# Allegro board Coral-Dev-Board-Mini-layout-Allegro.brd (continued)
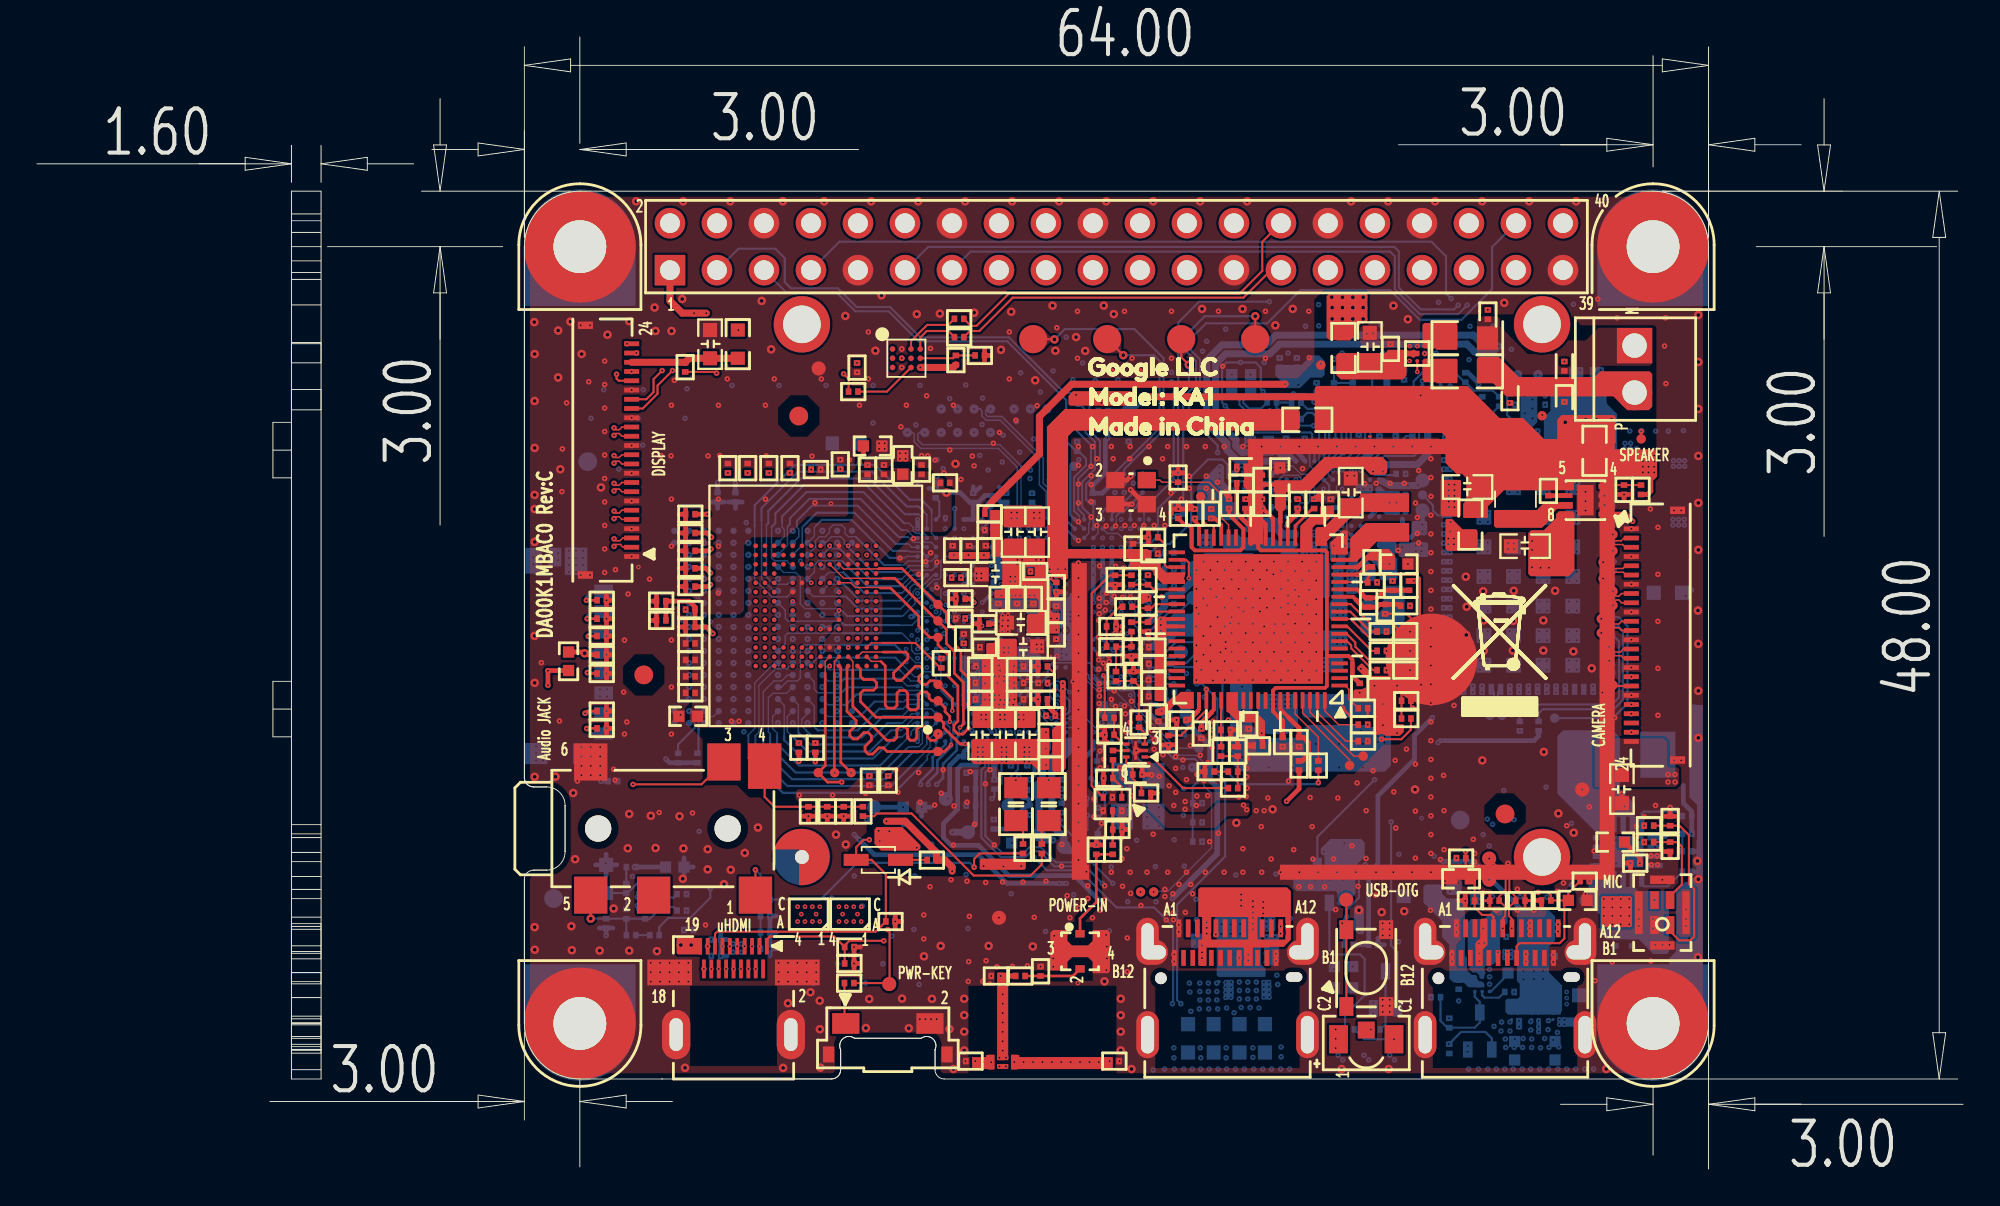
[diagram p0: board, top side]
## Routing (per net, layer and track width the routed paths; a pad name or vN(x,y) marks a point on that pad's centre or on a via; arc(x,y) is an arc through that point) (continued)
v6(46.07,34.67) v6(46.15,36.77) v6(46.28,41.6) v6(46.2,18.18) v6(46.74,33.78) v6(46.86,23.67) v6(47.09,43.1) v6(47.32,24.4) v6(47.37,19.35) v6(47.93,33.78) v6(48.29,44.37) v6(48.36,34.62) v6(48.51,36.8) v6(49.16,27.19) v6(50.22,21.43) v6(50.22,20.54) v6(50.35,37.56) v6(51.08,43.07) v6(51.51,36.25) v6(52.28,36.25) v6(53.02,36.25) v6(53.27,34.38) v6(53.27,33.87) v6(53.77,36.25) v6(53.77,34.38) v6(54.28,34.38) v6(54.28,33.87) v6(54.79,34.38) v6(55.65,37.28) v6(55.7,40.38) v6(56.1,35.2) v6(57.53,22.35) v6(57.63,21.41) v6(57.97,24.98) v6(58.09,34.64) v6(58.6,24.98) v6(58.62,20.64) v6(59.41,21.74) v6(60.42,38.88) v6(60.47,36.47) v6(60.45,35.58) v6(60.94,5.4) v6(61.44,6.55) v6(61.44,6.01) v6(61.47,5.4) v6(61.98,5.4) v6(62.07,35.38) v6(62.43,5.4) v6(62.56,40.69) v6(62.87,6.55) v6(62.89,6.01) v6(62.89,5.4) v6(63.24,34.51) v6(63.24,32.79) v6(63.2,31.85) v6(63.35,5.4) v6(63.42,40.69) v6(63.47,37.16) v6(63.45,25.29) v6(63.45,24.84) v6(63.45,24.4) v6(63.83,5.4) v6(64.26,6.55) v6(64.26,6.01) v6(64.31,34.54) v6(64.38,27.96) v6(64.29,5.4) v6(64.41,39.16) v6(64.54,29.92) v6(64.77,5.4) v6(64.79,26.33) v6(65.02,24.13) v6(65.08,19.5) v6(65.25,5.4) v6(65.58,36.01) v6(65.55,34.46) v6(65.58,27.43) v6(65.55,24.13) v6(65.68,26.11) v6(65.79,20.03) v6(65.71,6.55) v6(65.71,6.04) v6(65.76,5.4) v6(66.06,40.2) v6(66.12,14.64) v6(66.26,28.09) v6(66.24,5.4) v6(66.37,25.95) v6(66.65,24.13) v6(66.73,5.4) v6(66.85,17.7) v6(67.18,37.36) v6(67.13,35.3) v6(67.15,25.95) v6(67.26,24.13) v6(67.24,6.6) v6(67.24,6.06) v6(67.21,5.4) v6(67.46,33.4) v6(67.43,31.24) v6(67.41,29.18) v6(67.62,18.21) v6(67.69,5.4) v6(67.84,24.1) v6(68.19,40.33) v6(68.35,24.38) v6(68.42,25.9) v6(68.53,25.34) v6(68.53,24.81) v6(68.93,25.93) v6(69.01,36.88) v6(69.08,15.64) v6(69.38,32.36) v6(69.38,32.06) v6(69.38,31.65) v6(69.38,31.35) v6(69.38,31.04) v6(69.57,35.4) v6(69.68,31.65) v6(69.68,31.35) v6(69.68,31.04) v6(69.85,15.64) v6(69.92,36.67) v6(70.18,16.05) v6(70.23,15.64) v6(70.31,6.15) v6(70.4,27.83) v6(70.4,27.12) v6(70.4,26.26) v6(70.44,18) v6(70.57,5.9) v6(70.93,32.29) v6(70.93,31.98) v6(70.93,31.68) v6(71.23,32.29) v6(71.23,31.98) v6(71.23,31.68) v6(71.32,23.74) v6(71.71,6.15) v6(71.97,5.9) v6(72.22,9) v6(72.22,8.69) v6(72.22,8.39) v6(73.11,6.15) v6(73.36,5.9) v6(76.83,9.09) v6(77.31,6.65) v6(77.31,6.35) v6(77.37,5.4) v6(77.9,5.4) v6(78.18,39.39) v6(78.41,5.4) v6(78.5,10.79) v6(78.5,10.39) v6(78.5,9.99) v6(78.87,5.4) v6(79.35,11.76) v6(79.35,11.45) v6(79.33,5.4) v6(79.4,12.55) v6(79.65,11.76) v6(79.65,11.45) v6(79.78,5.4) v6(80.11,39.33) v6(80.27,5.4) v6(80.72,5.4) v6(81.21,5.4) v6(81.69,5.4) v6(82.2,5.4) v6(82.68,5.4) v6(83.16,5.4) v6(83.64,5.4) v6(84.13,5.4) v7(29.67,35.35) v7(29.69,39.54) v7(29.77,38.35) v7(29.72,36.82) v7(29.94,40.58) v7(30.2,29.86) v7(30.23,28.29) v7(30.63,42.13) v7(30.68,33.78) v7(30.74,32.18) v7(31.17,40.02) v7(31.17,26.74) v7(31.44,37.84) v7(31.52,31.13) v7(31.65,34.59) v7(31.65,29.89) v7(32.08,41.62) v7(32.18,15.82) v7(32.26,25.62) v7(32.48,40.58) v7(32.45,14.71) v7(32.44,14.24) v7(32.77,42.13) v7(32.87,29.92) v7(32.84,26.87) v7(32.92,31.69) v7(33.07,39.85) v7(33.2,37.69) v7(33.43,24.48) v7(33.53,25.8) v7(34.44,24.63) v7(34.55,34.77) v7(34.55,33.24) v7(34.55,31.72) v7(34.55,29.81) v7(34.55,27.6) v7(34.55,25.65) v7(34.58,14.41) v7(34.7,23.64) v7(35.02,40.58) v7(35.13,42.18) v7(35.13,37.1) v7(35.56,35.71) v7(35.79,41.6) v7(35.84,23.67) v7(36.53,38.48) v7(36.67,13.42) v7(37.29,35.73) v7(37.56,42.36) v7(37.52,40.02) v7(38.51,38.5) v7(38.5,11.93) v7(38.93,11.48) v7(39.14,35.73) v7(39.68,37.1) v7(39.7,39.31) v7(40.04,13.42) v7(40.1,42.36) v7(40.36,38.48) v7(40.67,35.71) v7(41.02,26.05) v7(41.12,41.6) v7(41.53,37.1) v7(42.34,35.76) v7(42.64,42.36) v7(42.62,37.99) v7(42.72,38.83) v7(42.85,30.81) v7(42.88,27.76) v7(43.11,23.67) v7(43.13,13.38) v7(43.38,24.43) v7(43.69,37.08) v7(43.94,35.15) v7(43.92,27.96) v7(44.38,23.67) v7(44.45,24.43) v7(44.83,37.92) v7(45.18,42.36) v7(45.18,40.33) v7(45.39,35.86) v7(45.57,38.83) v7(45.65,33.78) v7(45.65,13.87) v7(45.87,24.4) v7(45.82,23.67) v7(46.28,41.6) v7(46.44,15.51) v7(46.74,33.78) v7(46.86,23.67) v7(46.97,38.01) v7(47.32,24.4) v7(47.72,42.36) v7(47.93,33.78) v7(47.9,16.99) v7(48.29,44.37) v7(48.64,37.43) v7(49.16,27.19) v7(50.19,42.39) v7(50.22,21.43) v7(50.22,20.54) v7(50.35,37.56) v7(53.16,43.05) v7(54.22,42.01) v7(57.53,22.35) v7(57.63,21.41) v7(58.42,42.67) v7(58.62,20.64) v7(59.41,21.74) v7(59.69,42.67) v7(60.94,5.4) v7(61.44,6.55) v7(61.44,6.01) v7(61.47,5.4) v7(61.98,5.4) v7(62.43,5.4) v7(62.51,42.87) v7(62.51,42.49) v7(62.56,40.69) v7(62.66,13.48) v7(62.87,6.55) v7(62.89,6.01) v7(62.89,5.4) v7(63.22,44.75) v7(63.35,5.4) v7(63.42,40.69) v7(63.83,5.4) v7(64.24,45.41) v7(64.26,6.55) v7(64.26,6.01) v7(64.29,5.4) v7(64.77,5.4) v7(65.08,19.5) v7(65.25,5.4) v7(65.79,20.03) v7(65.71,6.55) v7(65.71,6.04) v7(65.76,5.4) v7(66.12,14.64) v7(66.24,5.4) v7(66.73,5.4) v7(66.85,17.7) v7(67.01,10.48) v7(67.05,9.98) v7(67.24,6.6) v7(67.24,6.06) v7(67.21,5.4) v7(67.62,18.21) v7(67.74,13.56) v7(67.69,5.4) v7(68.12,15.72) v7(68.19,40.33) v7(69.08,15.64) v7(69.26,46.73) v7(69.27,45.59) v7(69.38,32.36) v7(69.38,32.06) v7(69.38,31.65) v7(69.38,31.35) v7(69.38,31.04) v7(69.46,15.64) v7(69.68,31.65) v7(69.68,31.35) v7(69.68,31.04) v7(69.85,15.64) v7(70.18,16.05) v7(70.23,15.64) v7(70.31,6.15) v7(70.44,18) v7(70.57,5.9) v7(70.61,15.64) v7(70.93,32.29) v7(70.93,31.98) v7(70.93,31.68) v7(71.23,32.29) v7(71.23,31.98) v7(71.23,31.68) v7(71.71,6.15) v7(71.97,5.9) v7(72.22,9) v7(72.22,8.69) v7(72.22,8.39) v7(73.11,6.15) v7(73.36,5.9) v7(75.06,19.3) v7(75.31,18.66) v7(75.74,46.86) v7(75.85,17.44) v7(75.97,18.31) v7(76.35,20.95) v7(76.48,26.44) v7(76.63,24.25) v7(76.83,9.09) v7(77.27,24.28) v7(77.31,6.65) v7(77.31,6.35) v7(77.37,5.4) v7(77.62,22.42) v7(77.88,19.17) v7(77.98,24.58) v7(77.9,5.4) v7(78.18,39.39) v7(78.41,24) v7(78.41,22.63) v7(78.41,21.13) v7(78.41,5.4) v7(78.5,10.79) v7(78.5,10.39) v7(78.5,9.99) v7(78.68,45.56) v7(78.66,14.73) v7(78.87,5.4) v7(79.28,24.02) v7(79.28,22.65) v7(79.28,21.1) v7(79.35,11.76) v7(79.35,11.45) v7(79.33,5.4) v7(79.4,12.55) v7(79.65,11.76) v7(79.65,11.45) v7(79.71,24.56) v7(79.78,5.4) v7(80.11,39.33) v7(80.16,14.73) v7(80.27,5.4) v7(80.72,5.4) v7(81.21,5.4) v7(81.61,14.7) v7(81.69,5.4) v7(82.2,5.4) v7(82.68,5.4) v7(82.93,18.69) v7(82.93,15.36) v7(83.03,46.76) v7(83.16,5.4) v7(83.64,5.4) v7(84.13,5.4) v8(29.67,35.35) v8(29.69,39.54) v8(29.77,38.35) v8(29.72,36.82) v8(29.94,40.58) v8(30.2,29.86) v8(30.23,28.29) v8(30.63,42.13) v8(30.68,33.78) v8(30.74,32.18) v8(31.17,40.02) v8(31.17,26.74) v8(31.44,37.84) v8(31.52,31.13) v8(31.65,34.59) v8(31.65,29.89) v8(32.08,41.62) v8(32.18,15.82) v8(32.26,25.62) v8(32.48,40.58) v8(32.45,14.71) v8(32.44,14.24) v8(32.77,42.13) v8(32.87,29.92) v8(32.84,26.87) v8(32.92,31.69) v8(33.07,39.85) v8(33.2,37.69) v8(33.43,24.48) v8(33.53,25.8) v8(34.44,24.63) v8(34.55,34.77) v8(34.55,33.24) v8(34.55,31.72) v8(34.55,29.81) v8(34.55,27.6) v8(34.55,25.65) v8(34.58,14.41) v8(34.7,23.64) v8(34.9,39.06) v8(35.02,40.58) v8(35.13,42.18) v8(35.13,37.1) v8(35.56,35.71) v8(35.79,41.6) v8(35.84,23.67) v8(36.53,38.48) v8(37.29,35.73) v8(37.56,42.36) v8(37.52,40.02) v8(38.51,38.5) v8(39.14,35.73) v8(39.68,37.1) v8(39.7,39.31) v8(40.1,42.36) v8(40.36,38.48) v8(40.67,35.71) v8(41.02,26.05) v8(41.12,41.6) v8(41.53,37.1) v8(42.34,35.76) v8(42.64,42.36) v8(42.62,37.99) v8(42.72,38.83) v8(42.85,30.81) v8(42.88,27.76) v8(43.11,23.67) v8(43.38,24.43) v8(43.69,37.08) v8(43.94,35.15) v8(43.92,27.96) v8(44.38,23.67) v8(44.45,24.43) v8(44.83,37.92) v8(45.18,42.36) v8(45.18,40.33) v8(45.39,35.86) v8(45.57,38.83) v8(45.65,33.78) v8(45.87,24.4) v8(45.82,23.67) v8(46.28,41.6) v8(46.74,33.78) v8(46.86,23.67) v8(46.97,38.01) v8(47.32,24.4) v8(47.59,37.14) v8(47.72,42.36) v8(47.93,33.78) v8(48.29,44.37) v8(48.64,37.43) v8(49.16,27.19) v8(50.19,42.39) v8(50.22,21.43) v8(50.22,20.54) v8(50.35,37.56) v8(53.16,43.05) v8(54.22,42.01) v8(57.53,22.35) v8(57.63,21.41) v8(58.42,42.67) v8(58.62,20.64) v8(59.41,21.74) v8(59.69,42.67) v8(60.47,26.39) v8(60.94,5.4) v8(61.44,6.55) v8(61.44,6.01) v8(61.47,5.4) v8(61.98,5.4) v8(62.43,5.4) v8(62.51,42.87) v8(62.51,42.49) v8(62.58,12.06) v8(62.66,13.48) v8(62.61,12.54) v8(62.87,6.55) v8(62.89,6.01) v8(62.89,5.4) v8(63.1,18.21) v8(63.22,44.75) v8(63.3,13.48) v8(63.35,5.4) v8(63.83,5.4) v8(63.93,19.07) v8(64.24,45.41) v8(64.26,6.55) v8(64.26,6.01) v8(64.29,5.4) v8(64.54,17.83) v8(64.77,5.4) v8(65.08,19.5) v8(65.25,5.4) v8(65.32,20.39) v8(65.79,20.03) v8(65.71,6.55) v8(65.71,6.04) v8(65.76,5.4) v8(66.12,14.64) v8(66.24,5.4) v8(66.54,17.83) v8(66.72,38.86) v8(66.73,5.4) v8(66.87,21.03) v8(66.85,17.7) v8(67.01,10.48) v8(67.05,9.98) v8(67.24,6.6) v8(67.24,6.06) v8(67.21,5.4) v8(67.62,18.21) v8(67.76,19.48) v8(67.74,13.56) v8(67.69,5.4) v8(67.89,39.06) v8(68.12,15.72) v8(68.42,21.03) v8(68.98,40.76) v8(69.08,15.64) v8(69.26,46.73) v8(69.27,45.59) v8(69.21,18.56) v8(69.38,32.36) v8(69.38,32.06) v8(69.38,31.65) v8(69.38,31.35) v8(69.38,31.04) v8(69.46,38.93) v8(69.46,15.64) v8(69.68,32.36) v8(69.68,32.06) v8(69.68,31.65) v8(69.68,31.35) v8(69.68,31.04) v8(69.85,15.64) v8(69.9,39.92) v8(70,22.35) v8(70.18,16.05) v8(70.23,15.64) v8(70.31,6.15) v8(70.44,18) v8(70.58,19.55) v8(70.57,5.9) v8(70.61,15.64) v8(70.93,32.29) v8(70.93,31.98) v8(70.93,31.68) v8(70.94,23.29) v8(70.96,18.49) v8(71.04,33.27) v8(71.04,32.96) v8(71.11,10.94) v8(71.11,9.8) v8(71.23,32.29) v8(71.23,31.98) v8(71.23,31.68) v8(71.47,12.87) v8(71.75,19.86) v8(71.75,18.56) v8(71.71,6.15) v8(71.97,5.9) v8(72.22,9) v8(72.22,8.69) v8(72.22,8.39) v8(72.31,22.35) v8(72.72,18.46) v8(72.72,15.77) v8(72.69,12.85) v8(72.89,25.93) v8(73.11,6.15) v8(73.36,5.9) v8(73.58,20.77) v8(73.68,23.29) v8(73.91,16) v8(74.09,27.05) v8(74.22,18.38) v8(74.75,24.73) v8(74.85,27.35) v8(74.85,26.23) v8(74.88,16.15) v8(74.9,22.55) v8(75.06,19.3) v8(75.23,19.73) v8(75.31,18.66) v8(75.74,46.86) v8(75.8,22.37) v8(75.81,21.76) v8(75.81,18.69) v8(75.85,17.44) v8(75.97,18.31) v8(76.27,16.2) v8(76.35,20.95) v8(76.48,26.44) v8(76.63,24.25) v8(76.79,18.31) v8(76.83,9.09) v8(76.96,20.75) v8(76.91,19.43) v8(77.27,24.28) v8(77.34,15.9) v8(77.31,6.65) v8(77.31,6.35) v8(77.37,5.4) v8(77.62,22.42) v8(77.62,20.75) v8(77.88,19.17) v8(77.98,24.58) v8(77.9,5.4) v8(78.18,39.39) v8(78.41,24) v8(78.41,22.63) v8(78.41,21.13) v8(78.48,17.47) v8(78.41,5.4) v8(78.5,10.79) v8(78.5,10.39) v8(78.5,9.99) v8(78.68,45.56) v8(78.66,14.73) v8(78.87,5.4) v8(79.28,24.02) v8(79.28,22.65) v8(79.28,21.1) v8(79.37,19.68) v8(79.35,11.76) v8(79.35,11.45) v8(79.33,5.4) v8(79.4,12.55) v8(79.65,11.76) v8(79.65,11.45) v8(79.71,24.56) v8(79.78,5.4) v8(79.83,18.89) v8(80.11,39.33) v8(80.16,20.98) v8(80.16,14.73) v8(80.27,5.4) v8(80.72,5.4) v8(81.07,21.18) v8(81.21,5.4) v8(81.56,20.65) v8(81.61,14.7) v8(81.69,5.4) v8(82.2,5.4) v8(82.29,23.29) v8(82.57,22.73) v8(82.68,5.4) v8(82.93,18.69) v8(82.93,15.36) v8(83.03,46.76) v8(83.16,5.4) v8(83.64,5.4) v8(84.13,5.4) v8(84.45,23.26) v8(84.83,23.95) v8(86.08,39.9) v8(86.74,39.9) v8(87.48,39.9) v8(88.17,39.9) v8(88.98,39.92) v9(26.82,33.07) v9(26.82,32.68) v9(26.97,22.86) v9(26.97,22.47) v9(26.97,22.09) v9(27.12,33.07) v9(27.12,32.68) v9(27.35,22.86) v9(27.35,22.47) v9(27.35,22.09) v9(27.78,33.29) v9(27.78,32.91) v9(28.16,33.29) v9(28.16,32.91) v9(28.75,33.42) v9(28.75,33.04) v9(28.75,32.66) v9(28.75,32.28) v9(29.13,33.42) v9(29.13,33.04) v9(29.13,32.66) v9(29.13,32.28) v9(29.18,22.86) v9(29.18,22.47) v9(29.18,22.09) v9(29.51,33.42) v9(29.51,33.04) v9(29.51,32.66) v9(29.51,32.28) v9(29.56,22.86) v9(29.56,22.47) v9(29.56,22.09) v9(29.94,40.58) v9(29.94,22.86) v9(29.94,22.47) v9(29.94,22.09) v9(30.43,25.93) v9(30.43,25.55) v9(30.63,42.13) v9(30.74,16.53) v9(30.81,25.93) v9(30.81,25.55) v9(31.44,37.84) v9(32.18,15.82) v9(32.48,40.58) v9(32.45,14.71) v9(32.44,14.24) v9(32.77,42.13) v9(32.74,39.14) v9(34.97,12.92) v9(35.02,40.58) v9(35.13,42.18) v9(35.78,18.25) v9(36.04,28.01) v9(36.73,21.97) v9(37.56,42.36) v9(37.77,21.97) v9(38.44,33.86) v9(38.44,28.01) v9(40.1,42.36) v9(41.96,10.03) v9(42.64,42.36) v9(42.95,14.65) v9(43.28,11.09) v9(44.17,15.84) v9(44.6,14.22) v9(44.78,10.05) v9(44.83,18.89) v9(45.18,42.36) v9(45.18,40.33) v9(45.54,17.6) v9(45.72,11.09) v9(46.2,12.59) v9(46.83,18.64) v9(47.44,15.84) v9(47.39,12.95) v9(47.49,40.23) v9(47.59,37.14) v9(47.67,9.98) v9(47.72,42.36) v9(48.29,44.37) v9(48.36,17.57) v9(48.64,37.43) v9(49.32,41.65) v9(49.32,40.25) v9(50.09,32.12) v9(50.09,31.62) v9(50.09,31.12) v9(50.19,42.39) v9(50.22,21.43) v9(50.22,20.54) v9(50.21,15.92) v9(50.31,13) v9(50.6,22.32) v9(50.95,38.58) v9(51.08,40.25) v9(51.1,41.68) v9(51.41,37.79) v9(52.17,38.22) v9(52.22,39.67) v9(52.6,37.21) v9(52.68,17.63) v9(52.65,14.88) v9(52.93,40.41) v9(53.16,43.05) v9(53.11,38.76) v9(53.52,20.49) v9(53.67,37.33) v9(53.65,19.15) v9(53.69,37.79) v9(53.77,36.54) v9(53.87,39.47) v9(54.22,42.01) v9(54.5,12.85) v9(54.71,38.27) v9(54.71,37.26) v9(54.91,43.15) v9(55.06,36.6) v9(55.06,35.66) v9(55.37,21.81) v9(55.37,20.54) v9(55.62,44.98) v9(55.98,42.67) v9(56.03,14.83) v9(56.21,40.66) v9(56.51,43.58) v9(57.2,42.64) v9(57.28,21.55) v9(57.96,12.87) v9(58.06,16.33) v9(58.3,21.73) v9(58.3,21.22) v9(58.3,20.72) v9(58.3,19.55) v9(58.3,19.04) v9(58.3,18.53) v9(58.42,42.67) v9(58.93,21.73) v9(58.93,21.22) v9(58.93,20.72) v9(58.93,19.55) v9(58.93,19.04) v9(58.93,18.53) v9(58.95,14.45) v9(59.43,17.78) v9(59.59,25.12) v9(59.69,42.67) v9(59.76,37.07) v9(60,19.55) v9(60,19.04) v9(60,18.53) v9(60.32,5.35) v9(60.45,16.35) v9(60.47,14.45) v9(60.63,19.55) v9(60.63,19.04) v9(60.63,18.53) v9(60.94,5.4) v9(61.11,26.68) v9(61.32,43.07) v9(61.32,42.56) v9(61.45,33.31) v9(61.45,32.43) v9(61.45,31.54) v9(61.45,30.55) v9(61.47,25.79) v9(61.46,17.8) v9(61.44,6.55) v9(61.44,6.01) v9(61.47,5.4) v9(61.98,23.51) v9(61.93,21.71) v9(61.98,20.57) v9(61.95,19.12) v9(61.98,5.4) v9(62,16.38) v9(62.23,25.8) v9(62.43,5.4) v9(62.58,12.06) v9(62.63,14.57) v9(62.66,13.48) v9(62.61,12.54) v9(62.87,6.55) v9(62.97,19.78) v9(62.97,18.74) v9(62.89,6.01) v9(62.89,5.4) v9(62.99,44.22) v9(63.03,34) v9(63.03,33.7) v9(63.09,25.52) v9(63.09,24.56) v9(63.1,24.07) v9(63.22,44.75) v9(63.33,34) v9(63.33,33.7) v9(63.3,13.48) v9(63.35,5.4) v9(63.83,5.4) v9(64.24,45.41) v9(64.23,30.75) v9(64.23,29.74) v9(64.26,6.55) v9(64.26,6.01) v9(64.29,5.4) v9(64.58,31.7) v9(64.52,28.9) v9(64.77,36.67) v9(64.72,14.57) v9(64.77,5.4) v9(64.79,15.9) v9(65.12,28.62) v9(65.12,27.35) v9(65.12,26.08) v9(65.12,24.81) v9(65.12,23.54) v9(65.12,22.27) v9(65.23,45.03) v9(65.25,5.4) v9(65.47,34.89) v9(65.47,34.59) v9(65.77,34.89) v9(65.77,34.59) v9(65.71,6.55) v9(65.71,6.04) v9(65.76,5.4) v9(66.18,36.66) v9(66.18,35.77) v9(66.12,14.64) v9(66.24,5.4) v9(66.32,43.61) v9(66.48,34.89) v9(66.48,34.59) v9(66.57,22.98) v9(66.57,21.71) v9(66.79,34.89) v9(66.79,34.59) v9(66.73,5.4) v9(66.95,15.95) v9(67.01,10.48) v9(67.05,9.98) v9(67.16,43.85) v9(67.24,6.6) v9(67.24,6.06) v9(67.21,5.4) v9(67.5,39.51) v9(67.62,44.11) v9(67.74,13.56) v9(67.69,5.4) v9(67.84,22.98) v9(67.84,21.71) v9(68.08,43.85) v9(68.12,15.72) v9(68.56,45.56) v9(69.08,15.64) v9(69.15,42.5) v9(69.11,22.98) v9(69.11,21.71) v9(69.26,46.73) v9(69.27,45.59) v9(69.38,32.36) v9(69.38,32.06) v9(69.38,31.65) v9(69.38,31.35) v9(69.38,31.04) v9(69.46,15.64) v9(69.54,33.77) v9(69.54,33.27) v9(69.54,17.17) v9(69.68,32.36) v9(69.68,32.06) v9(69.68,31.65) v9(69.68,31.35) v9(69.68,31.04) v9(69.85,15.64) v9(70.1,43.78) v9(70.38,22.98) v9(70.38,21.71) v9(70.31,6.15) v9(70.46,14.5) v9(70.54,44.11) v9(70.57,5.9) v9(70.66,17.62) v9(70.61,15.64) v9(70.93,32.29) v9(70.93,31.98) v9(70.93,31.68) v9(71.04,33.27) v9(71.04,32.96) v9(71.11,10.94) v9(71.11,9.8) v9(71.23,32.29) v9(71.23,31.98) v9(71.23,31.68) v9(71.44,39.71) v9(71.47,12.87) v9(71.56,23.7) v9(71.65,22.98) v9(71.65,21.71) v9(71.71,6.15) v9(71.97,5.9) v9(72.15,43.44) v9(72.22,9) v9(72.22,8.69) v9(72.22,8.39) v9(72.46,23.41) v9(72.46,23.08) v9(72.65,45.61) v9(72.75,44.09) v9(72.72,15.77) v9(72.69,12.85) v9(72.84,23.39) v9(72.82,23.06) v9(73.11,6.15) v9(73.36,5.9) v9(73.58,12.29) v9(73.61,17.01) v9(73.79,33.62) v9(73.97,35.58) v9(73.91,16) v9(74,36.4) v9(74.52,33.71) v9(74.52,33.41) v9(74.82,33.71) v9(74.82,33.41) v9(74.88,16.15) v9(75.49,45.59) v9(75.51,16.91) v9(75.62,44.11) v9(75.74,46.86) v9(76.02,38.83) v9(76.02,38.34) v9(76.02,37.84) v9(76.02,37.34) v9(76.02,36.84) v9(76.02,36.33) v9(76.02,35.83) v9(76.02,34.83) v9(76.02,34.33) v9(76.02,33.83) v9(76.02,33.33) v9(76.02,32.83) v9(76.02,32.33) v9(76.02,31.83) v9(76.02,31.33) v9(76.02,30.83) v9(76.02,30.33) v9(76.02,29.83) v9(76.02,29.33) v9(76.02,28.83) v9(76.02,28.33) v9(76.02,27.83) v9(76.02,27.33) v9(76.02,26.83) v9(76.1,39.9) v9(76.1,39.57) v9(76.1,26.11) v9(76.1,25.78) v9(76.27,16.2) v9(76.37,41.83) v9(76.35,38.83) v9(76.35,38.34) v9(76.35,37.84) v9(76.35,37.34) v9(76.35,36.84) v9(76.35,36.33) v9(76.35,35.83) v9(76.35,34.83) v9(76.35,34.33) v9(76.35,33.83) v9(76.35,33.33) v9(76.35,32.83) v9(76.35,32.33) v9(76.35,31.83) v9(76.35,31.33) v9(76.35,30.83) v9(76.35,30.33) v9(76.35,29.83) v9(76.35,29.33) v9(76.35,28.83) v9(76.35,28.33) v9(76.35,27.83) v9(76.35,27.33) v9(76.35,26.83) v9(76.6,39.9) v9(76.6,39.57) v9(76.6,26.11) v9(76.6,25.78) v9(76.83,9.09) v9(77.1,39.9) v9(77.1,39.57) v9(77.1,26.11) v9(77.1,25.78) v9(77.34,15.9) v9(77.31,6.65) v9(77.31,6.35) v9(77.37,5.4) v9(77.45,45.56) v9(77.4,43.76) v9(77.6,39.9) v9(77.6,39.57) v9(77.6,26.11) v9(77.6,25.78) v9(77.67,14.76) v9(77.67,14.46) v9(77.98,38.68) v9(77.98,38.18) v9(77.98,37.09) v9(77.98,36.6) v9(77.98,35.48) v9(77.98,34.99) v9(77.98,33.88) v9(77.98,33.38) v9(77.98,32.29) v9(77.98,31.8) v9(77.98,30.68) v9(77.98,30.19) v9(77.98,29.08) v9(77.98,28.58) v9(77.98,27.49) v9(77.98,27) v9(77.98,24.58) v9(77.97,14.76) v9(77.97,14.46) v9(77.9,5.4) v9(78.1,26.11) v9(78.1,25.78) v9(78.16,18.08) v9(78.28,45.27) v9(78.39,18.92) v9(78.41,38.68) v9(78.41,38.18) v9(78.41,37.09) v9(78.41,36.6) v9(78.41,35.48) v9(78.41,34.99) v9(78.41,33.88) v9(78.41,33.38) v9(78.41,32.29) v9(78.41,31.8) v9(78.41,30.68) v9(78.41,30.19) v9(78.41,29.08) v9(78.41,28.58) v9(78.41,27.49) v9(78.41,27) v9(78.48,17.47) v9(78.41,5.4) v9(78.5,10.79) v9(78.5,10.39) v9(78.5,9.99) v9(78.68,45.56) v9(78.67,18.64) v9(78.66,14.73) v9(78.87,5.4) v9(79.05,43.02) v9(79.1,39.9) v9(79.1,39.57) v9(79.28,20.47) v9(79.35,11.76) v9(79.35,11.45) v9(79.33,5.4) v9(79.4,12.55) v9(79.58,38.68) v9(79.58,38.18) v9(79.58,37.09) v9(79.58,36.6) v9(79.58,35.48) v9(79.58,34.99) v9(79.58,33.88) v9(79.58,33.38) v9(79.58,32.29) v9(79.58,31.8) v9(79.58,30.68) v9(79.58,30.19) v9(79.58,29.08) v9(79.58,28.58) v9(79.58,27.49) v9(79.58,27) v9(79.6,26.11) v9(79.6,25.78) v9(79.65,11.76) v9(79.65,11.45) v9(79.69,44.32) v9(79.71,24.56) v9(79.78,5.4) v9(79.88,42.21) v9(79.88,41.32) v9(79.83,18.89) v9(80.01,38.68) v9(80.01,38.18) v9(80.01,37.09) v9(80.01,36.6) v9(80.01,35.48) v9(80.01,34.99) v9(80.01,33.88) v9(80.01,33.38) v9(80.01,32.29) v9(80.01,31.8) v9(80.01,30.68) v9(80.01,30.19) v9(80.01,29.08) v9(80.01,28.58) v9(80.01,27.49) v9(80.01,27) v9(80.09,8.02) v9(80.09,7.69) v9(80.1,26.11) v9(80.1,25.78) v9(80.14,23.69) v9(80.16,14.73) v9(80.27,5.4) v9(80.6,26.11) v9(80.6,25.78) v9(80.72,5.4) v9(81.11,39.9) v9(81.11,39.57) v9(81.18,38.68) v9(81.18,38.18) v9(81.18,37.09) v9(81.18,36.6) v9(81.18,35.48) v9(81.18,34.98) v9(81.18,33.88) v9(81.18,33.38) v9(81.18,32.29) v9(81.18,31.8) v9(81.18,30.68) v9(81.18,30.18) v9(81.18,29.08) v9(81.18,28.58) v9(81.18,27.49) v9(81.18,27) v9(81.1,26.11) v9(81.1,25.78) v9(81.21,5.4) v9(81.51,42.21) v9(81.51,41.8) v9(81.51,41.32) v9(81.56,20.65) v9(81.61,38.68) v9(81.61,38.18) v9(81.61,37.09) v9(81.61,36.6) v9(81.61,35.48) v9(81.61,34.98) v9(81.61,33.88) v9(81.61,33.38) v9(81.61,32.29) v9(81.61,31.8) v9(81.61,30.68) v9(81.61,30.18) v9(81.61,29.08) v9(81.61,28.58) v9(81.61,27.49) v9(81.61,27) v9(81.6,26.11) v9(81.6,25.78) v9(81.61,14.7) v9(81.69,5.4) v9(82.1,26.11) v9(82.1,25.78) v9(82.2,5.4) v9(82.6,26.11) v9(82.6,25.78) v9(82.68,5.4) v9(82.78,38.68) v9(82.78,38.18) v9(82.78,37.09) v9(82.78,36.6) v9(82.78,35.48) v9(82.78,34.98) v9(82.78,33.88) v9(82.78,33.38) v9(82.78,32.29) v9(82.78,31.8) v9(82.78,30.68) v9(82.78,30.18) v9(82.78,29.08) v9(82.78,28.58) v9(82.78,27.49) v9(82.78,27) v9(82.96,43.2) v9(82.96,42.76) v9(82.93,18.69) v9(82.93,15.36) v9(83.03,46.76) v9(83.16,5.4) v9(83.21,38.68) v9(83.21,38.18) v9(83.21,37.09) v9(83.21,36.6) v9(83.21,35.48) v9(83.21,34.98) v9(83.21,33.88) v9(83.21,33.38) v9(83.21,32.29) v9(83.21,31.8) v9(83.21,30.68) v9(83.21,30.18) v9(83.21,29.08) v9(83.21,28.58) v9(83.21,27.49) v9(83.21,27) v9(83.39,43.2) v9(83.39,42.76) v9(83.64,5.4) v9(84.08,43.2) v9(84.08,42.76) v9(84.1,26.11) v9(84.1,25.78) v9(84.13,5.4) v9(84.51,43.2) v9(84.51,42.76) v9(84.6,26.11) v9(84.6,25.78) v9(84.82,36.84) v9(84.82,36.33) v9(84.82,35.83) v9(84.82,35.33) v9(84.82,34.83) v9(84.82,34.33) v9(84.82,33.83) v9(84.82,33.33) v9(84.82,31.33) v9(84.82,30.83) v9(84.82,30.33) v9(84.82,27.83) v9(84.82,27.33) v9(84.82,26.83) v9(85.15,36.84) v9(85.15,36.33) v9(85.15,35.83) v9(85.15,35.33) v9(85.15,34.83) v9(85.15,34.33) v9(85.15,33.83) v9(85.15,33.33) v9(85.15,31.33) v9(85.15,30.83) v9(85.15,30.33) v9(85.15,27.83) v9(85.15,27.33) v9(85.15,26.83) v9(85.1,26.11) v9(85.1,25.78) v9(85.34,17.79) v9(85.34,16.52) v9(85.97,17.15) v9(86.08,39.9) v9(86.61,17.79) v9(86.61,16.52) v9(86.74,39.9) v9(87.48,39.9) v9(88.17,39.9) v9(88.98,39.92) v9(89.1,30.98) v9(89.28,14.95) v9(89.28,13.73) v9(89.28,12.46) v9(89.41,31.31) v10(34.9,29.64) v10(35.24,33.86) v10(35.24,29.96) v10(35.24,28.66) v10(35.24,24.76) v10(36.04,33.86) v10(36.04,32.56) v10(36.04,26.06) v10(36.04,25.41) v10(36.41,29.6) v10(36.84,33.86) v10(36.84,33.21) v10(36.84,31.91) v10(36.84,31.26) v10(36.84,29.31) v10(36.84,28.01) v10(36.84,27.36) v10(36.84,26.71) v10(37.64,33.86) v10(37.64,33.21) v10(37.64,31.91) v10(37.64,31.26) v10(37.64,27.36) v10(37.64,26.71) v10(37.64,25.41) v10(37.64,24.76) v10(38.44,33.21) v10(38.44,31.91) v10(38.44,31.26) v10(38.44,30.61) v10(38.44,27.36) v10(38.44,26.71) v10(38.44,25.41) v10(38.44,24.76) v10(40.84,30.61) v10(40.84,28.01) v10(41.25,32.89) v10(41.64,29.96) v10(41.64,28.66) v10(43.24,33.86) v10(43.24,32.56) v10(43.24,31.26) v10(43.24,29.31) v10(43.24,27.36) v10(43.24,26.06) v10(43.24,24.76) v10(46.97,28.11) v10(46.98,27.41) v10(47.27,28.85) v10(47.83,28.37) v10(48.36,31.34) v10(48.34,30.4) v10(48.49,27.19) v10(48.87,29.33) v10(49.1,30.5) v10(49.33,29.86) v10(49.33,29.33) v10(49.81,29.87) v10(50.09,26.62) v10(50.09,25.62) v10(50.09,25.12) v10(50.59,25.62) v10(50.59,25.12) v10(50.83,26.87) v10(50.83,26.62) v10(50.83,26.36) v10(50.85,25.72) v10(51.09,34.12) v10(51.09,30.12) v10(51.09,26.87) v10(51.09,26.62) v10(51.09,26.36) v10(51.09,26.11) v10(51.09,25.86) v10(51.09,25.59) v10(51.59,32.62) v10(51.59,29.62) v10(51.59,28.12) v10(52.09,30.12) v10(52.09,29.62) v10(52.09,29.12) v10(52.63,21.81) v10(53.09,29.62) v10(53.09,29.12) v10(53.52,21.81) v10(53.59,29.62) v10(53.59,29.12) v10(53.59,28.62) v10(53.59,26.62) v10(54.09,29.62) v10(54.09,29.12) v10(54.09,28.62) v10(54.09,28.12) v10(54.09,26.69) v10(54.59,29.62) v10(54.59,29.12) v10(54.59,28.62) v10(55.09,29.62) v10(55.09,29.12) v10(55.09,28.62) v10(55.09,24.12) v10(55.59,29.12) v10(56.09,27.12) v10(56.59,30.62) v10(56.59,28.62) v10(56.59,28.12) v10(56.59,26.62) v10(57.09,23.62) v10(57.59,23.62) v10(58.09,34.12) v10(58.59,33.62) v10(58.59,33.12) v10(59.09,34.12) v10(59.09,23.12) v10(59.59,34.12) v10(59.59,26.62) v10(60.09,34.12) v10(64.24,10.08) v10(64.24,9.82) v10(64.24,9.54) v10(64.24,9.27) v10(64.54,10.1) v10(64.54,9.82) v10(64.54,9.54) v10(64.52,9.27) v10(66.3,10.1) v10(66.3,9.84) v10(66.3,9.56) v10(66.3,9.28) v10(66.45,13.79) v10(66.45,13.53) v10(66.45,13.25) v10(66.45,12.97) v10(66.58,10.1) v10(66.58,9.84) v10(66.58,9.56) v10(66.61,9.28) v10(66.78,13.79) v10(66.78,13.53) v10(66.75,13.25) v10(66.73,12.97) v10(67.54,34.27) v10(68.04,37.27) v10(68.04,34.27) v10(68.54,37.27) v10(68.54,36.77) v10(69.04,34.27) v10(69.54,36.27) v10(69.54,35.27) v10(69.54,34.27) v10(70.04,37.77) v10(70.04,36.27) v10(70.04,35.27) v10(70.04,34.77) v10(70.04,34.27) v10(70.54,38.27) v10(70.54,36.77) v10(72.04,33.77) v10(74.83,18.97) v10(81.15,8.02) v10(81.15,7.72) v10(81.15,7.44) v10(82.28,8.08) v10(82.27,7.82) v10(82.55,8.07) v10(82.55,7.82) v10(82.67,9.57) v10(82.67,9.24) v10(82.67,8.91) v10(84.5,17.9) v10(84.51,17.42) v10(87.45,17.4) v10(87.45,16.9) v10(87.43,16.4) v11(34.9,29.64) v11(35.24,28.66) v11(36.41,29.6) v11(36.84,29.31) v11(40.84,30.61) v11(40.84,28.01) v11(41.25,32.89) v11(41.64,28.66) v11(43.24,32.56) v11(43.24,26.06) v11(48.31,25.37) v11(48.69,35.5) v11(48.61,35.25) v11(48.61,35) v11(48.62,34.74) v11(48.62,34.49) v11(48.69,34.23) v11(48.67,32.38) v11(48.74,33.98) v11(48.79,33.73) v11(48.81,33.47) v11(48.87,24.76) v11(48.92,35.68) v11(49.14,35.86) v11(49.1,30.5) v11(49.27,36.09) v11(49.35,25.78) v11(49.53,36.19) v11(49.66,26.64) v11(49.78,36.16) v11(49.73,31.77) v11(49.73,31.49) v11(49.81,29.87) v11(49.98,35.99) v11(50.06,35.73) v11(50.09,26.62) v11(50.09,33.95) v11(50.09,25.62) v11(50.09,25.12) v11(50.31,35.63) v11(50.45,34.13) v11(50.4,33.88) v11(50.52,35.43) v11(50.64,34.31) v11(50.59,25.62) v11(50.59,25.12) v11(50.77,35.35) v11(50.85,34.46) v11(50.83,26.87) v11(50.83,26.62) v11(50.83,26.36) v11(50.85,25.72) v11(51,35.2) v11(51,34.67) v11(51.18,36.29) v11(51.09,30.12) v11(51.09,26.87) v11(51.09,26.62) v11(51.09,26.36) v11(51.09,26.11) v11(51.09,25.86) v11(51.09,25.59) v11(51.59,32.62) v11(51.59,29.62) v11(52,36.22) v11(52.09,30.12) v11(52.09,29.62) v11(52.09,29.12) v11(52.74,36.22) v11(53.09,29.62) v11(53.09,29.12) v11(53.5,36.21) v11(53.59,29.62) v11(53.59,29.12) v11(53.59,28.62) v11(53.59,26.62) v11(54.09,29.62) v11(54.09,29.12) v11(54.09,28.62) v11(54.09,28.12) v11(54.09,26.69) v11(54.26,36.21) v11(54.59,29.62) v11(54.59,29.12) v11(54.59,28.62) v11(55.09,29.62) v11(55.09,29.12) v11(55.09,28.62) v11(55.59,29.12) v11(56.59,30.62) v11(58.59,33.62) v11(58.59,33.12) v11(58.85,24.86) v11(59.09,34.12) v11(59.09,23.12) v11(60.09,34.12) v11(67.54,34.27) v11(68.04,34.27) v11(74.83,18.97) v12(34.9,29.64) v12(35.24,28.66) v12(36.41,29.6) v12(36.84,29.31) v12(40.84,30.61) v12(40.84,28.01) v12(41.25,32.89) v12(41.64,28.66) v12(43.24,32.56) v12(43.24,26.06) v12(46.97,28.11) v12(46.98,27.41) v12(47.27,28.85) v12(47.83,28.37) v12(48.31,25.37) v12(48.49,27.19) v12(48.67,32.38) v12(48.87,24.76) v12(48.92,35.68) v12(49.14,35.86) v12(49.1,30.5) v12(49.27,36.09) v12(49.35,25.78) v12(49.53,36.19) v12(49.66,26.64) v12(49.78,36.16) v12(49.73,31.77) v12(49.73,31.49) v12(49.81,29.87) v12(49.98,35.99) v12(50.06,35.73) v12(50.09,26.62) v12(50.09,33.95) v12(50.09,25.62) v12(50.09,25.12) v12(50.31,35.63) v12(50.45,34.13) v12(50.4,33.88) v12(50.52,35.43) v12(50.64,34.31) v12(50.59,25.62) v12(50.59,25.12) v12(50.77,35.35) v12(50.85,34.46) v12(50.83,26.87) v12(50.83,26.62) v12(50.83,26.36) v12(50.85,25.72) v12(51,35.2) v12(51,34.67) v12(51.18,36.29) v12(51.09,30.12) v12(51.09,26.87) v12(51.09,26.62) v12(51.09,26.36) v12(51.09,26.11) v12(51.09,25.86) v12(51.09,25.59) v12(51.59,32.62) v12(51.59,29.62) v12(52,36.22) v12(52.09,30.12) v12(52.09,29.62) v12(52.09,29.12) v12(52.74,36.22) v12(53.09,29.62) v12(53.09,29.12) v12(53.5,36.21) v12(53.59,29.62) v12(53.59,29.12) v12(53.59,28.62) v12(53.59,26.62) v12(54.09,29.62) v12(54.09,29.12) v12(54.09,28.62) v12(54.09,28.12) v12(54.09,26.69) v12(54.26,36.21) v12(54.59,29.62) v12(54.59,29.12) v12(54.59,28.62) v12(55.09,29.62) v12(55.09,29.12) v12(55.09,28.62) v12(55.59,29.12) v12(56.59,30.62) v12(57.46,24.89) v12(58.33,25.81) v12(58.59,33.62) v12(58.59,33.12) v12(58.85,25.87) v12(58.85,24.86) v12(59.09,34.12) v12(59.09,23.12) v12(59.85,25.87) v12(59.95,23.95) v12(60.09,34.12) v12(60.15,25.24) v12(60.35,24.88) v12(60.35,23.36) v12(60.98,26) v12(60.98,25.17) v12(60.96,23.92) v12(61.54,24.51) v12(62.2,25.19) v12(62.99,25.95) v12(66.3,10.1) v12(66.3,9.84) v12(66.3,9.56) v12(66.3,9.28) v12(66.58,10.1) v12(66.58,9.84) v12(66.58,9.56) v12(66.61,9.28) v12(67.54,34.27) v12(68.04,34.27) v12(74.83,18.97) v12(82.28,8.08) v12(82.27,7.82) v12(82.55,8.07) v12(82.55,7.82) v12(82.67,9.57) v12(82.67,9.24) v12(82.67,8.91) v13(32.5,32.55) v13(36.44,10.82) v13(37.04,12.04) v13(37.64,10.82) v13(38.24,12.04) v13(38.84,10.82) v13(40.84,30.69) v13(41.31,13.78) v13(41.84,31.69) v13(42.11,13.78) v13(42.34,29.19) v13(42.84,33.69) v13(42.84,27.19) v13(42.91,35.98) v13(43.34,33.19) v13(43.34,31.19) v13(43.34,30.19) v13(43.54,13.78) v13(43.84,33.69) v13(43.84,28.19) v13(44.34,13.78) v13(44.84,33.19) v13(48.87,27.6) v13(49.48,33.7) v13(49.66,30.83) v13(49.65,29.76) v13(50.08,28.93) v13(50.42,33.7) v13(50.78,32.2) v13(50.78,31.94) v13(50.76,27.14) v13(50.72,26.31) v13(50.72,25.4) v13(50.85,22.8) v13(50.85,22.55) v13(50.85,22.29) v13(50.85,22.04) v13(50.96,28.21) v13(51.03,32.2) v13(51.03,31.94) v13(51.08,29.36) v13(51.11,22.8) v13(51.11,22.55) v13(51.11,22.29) v13(51.11,22.04) v13(51.28,33.7) v13(51.49,10.03) v13(51.95,30.57) v13(52.13,22.8) v13(52.13,22.55) v13(52.13,22.29) v13(52.13,22.04) v13(52.19,30.2) v13(52.19,29.92) v13(52.19,29.66) v13(52.39,22.8) v13(52.39,22.55) v13(52.39,22.29) v13(52.39,22.04) v13(52.47,29.94) v13(52.48,29.66) v13(52.5,30.2) v13(53.32,26.28) v13(53.32,25.39) v13(53.36,22.8) v13(53.36,22.55) v13(53.36,22.29) v13(53.36,22.04) v13(53.62,22.8) v13(53.62,22.55) v13(53.62,22.29) v13(53.62,22.04) v13(54.03,28.36) v13(54.03,28.11) v13(54.13,26.26) v13(54.28,28.36) v13(54.28,28.11) v13(55.12,27.73) v13(56.26,10.05) v13(74.6,44.49) v14(32.5,32.55) v14(41.84,31.69) v14(42.34,29.19) v14(42.84,33.69) v14(42.91,35.98) v14(43.34,33.19) v14(43.34,31.19) v14(43.34,30.19) v14(43.84,33.69) v14(50.52,32.35) v14(50.76,27.14) v14(50.72,26.31) v14(50.72,25.4) v14(51.08,29.36) v14(51.49,10.03) v14(52.19,30.2) v14(52.19,29.92) v14(52.19,29.66) v14(52.47,29.94) v14(52.48,29.66) v14(52.5,30.2) v14(54.13,26.26) v14(55.12,27.73) v14(56.26,10.05) v15(46.6,44.86) v15(50.09,25.97) v15(50.36,26.39) v15(50.55,25.97) v15(51.23,29.74) v15(51.21,29) v15(52.87,30.08) v15(53.36,30.08) v15(53.83,30.08) v15(54.3,30.09) v15(74.54,18.59) v15(74.54,17.38) v16(34.9,29.64) v16(35.24,28.66) v16(36.41,29.6) v16(36.84,29.31) v16(40.84,30.61) v16(40.84,28.01) v16(41.25,32.89) v16(41.64,28.66) v16(43.24,32.56) v16(43.24,26.06) v16(48.31,25.37) v16(48.69,35.5) v16(48.61,35.25) v16(48.61,35) v16(48.62,34.74) v16(48.62,34.49) v16(48.69,34.23) v16(48.67,32.38) v16(48.74,33.98) v16(48.79,33.73) v16(48.81,33.47) v16(48.87,24.76) v16(48.92,35.68) v16(49.14,35.86) v16(49.1,30.5) v16(49.27,36.09) v16(49.35,25.78) v16(49.53,36.19) v16(49.66,26.64) v16(49.78,36.16) v16(49.73,31.77) v16(49.73,31.49) v16(49.81,29.87) v16(49.98,35.99) v16(50.06,35.73) v16(50.09,26.62) v16(50.09,33.95) v16(50.09,25.62) v16(50.09,25.12) v16(50.31,35.63) v16(50.45,34.13) v16(50.4,33.88) v16(50.52,35.43) v16(50.64,34.31) v16(50.59,25.62) v16(50.59,25.12) v16(50.77,35.35) v16(50.85,34.46) v16(50.83,26.87) v16(50.83,26.62) v16(50.83,26.36) v16(50.85,25.72) v16(51,35.2) v16(51,34.67) v16(51.09,30.12) v16(51.09,26.87) v16(51.09,26.62) v16(51.09,26.36) v16(51.09,26.11) v16(51.09,25.86) v16(51.09,25.59) v16(51.59,32.62) v16(51.59,29.62) v16(52.09,30.12) v16(52.09,29.62) v16(52.09,29.12) v16(53.09,29.62) v16(53.09,29.12) v16(53.59,29.62) v16(53.59,29.12) v16(53.59,28.62) v16(53.59,26.62) v16(54.09,29.62) v16(54.09,29.12) v16(54.09,28.62) v16(54.09,28.12) v16(54.09,26.69) v16(54.59,29.62) v16(54.59,29.12) v16(54.59,28.62) v16(55.09,29.62) v16(55.09,29.12) v16(55.09,28.62) v16(55.59,29.12) v16(56.59,30.62) v16(58.59,33.62) v16(58.59,33.12) v16(59.09,34.12) v16(59.09,23.12) v16(60.09,34.12) v16(74.83,18.97) v17(26.87,45.79) v17(26.89,44.06) v17(26.89,41.52) v17(26.89,38.98) v17(26.89,36.44) v17(26.89,35.68) v17(26.89,33.9) v17(26.89,28.82) v17(26.89,26.28) v17(26.89,21.2) v17(26.89,13.08) v17(26.9,11.86) v17(28.02,21.21) v17(28.16,45.33) v17(28.16,42.79) v17(28.28,37.83) v17(28.83,45.82) v17(28.88,13.13) v17(28.98,20.33) v17(28.91,11.83) v17(29.08,16.75) v17(29.43,44.06) v17(30.48,36.85) v17(30.41,11.8) v17(30.83,45.11) v17(31.16,14.08) v17(31.93,17.34) v17(32.01,45.84) v17(32.01,19.2) v17(32.01,11.8) v17(32.38,52.32) v17(33.17,19.09) v17(33.38,46.58) v17(33.42,45.31) v17(33.43,17.36) v17(33.5,11.78) v17(34.29,45.31) v17(34.72,19.07) v17(34.87,47.04) v17(34.92,52.32) v17(34.94,17.33) v17(34.9,15.69) v17(35.02,5.47) v17(36.25,17.29) v17(36.25,16.2) v17(37.13,15.4) v17(37.46,52.32) v17(37.49,16.17) v17(38.25,17.09) v17(38.97,18.46) v17(39.16,46.93) v17(39.68,44.32) v17(40.31,52.32) v17(40.32,5.47) v17(40.59,8.96) v17(41.8,9.56) v17(42.3,9.1) v17(42.31,7.56) v17(42.34,5.48) v17(42.54,52.32) v17(43.18,18.08) v17(43.68,46.12) v17(43.71,17.55) v17(44.8,7.62) v17(44.98,9.19) v17(45.08,52.32) v17(45.31,44.24) v17(45.64,47.24) v17(46.75,9.21) v17(47.11,7.61) v17(47.55,46.22) v17(47.62,52.32) v17(47.94,11.5) v17(48.37,9.2) v17(48.8,46.25) v17(48.84,12.06) v17(49.32,7.57) v17(49.53,5.41) v17(49.64,38.13) v17(50.16,52.32) v17(50.11,9.2) v17(50.11,8.32) v17(50.11,7.43) v17(50.11,6.41) v17(50.65,46.3) v17(51.43,12.06) v17(52.1,44.29) v17(52.65,46.35) v17(52.7,52.32) v17(53.82,12.03) v17(53.95,42.64) v17(54.89,46.68) v17(55.04,44.24) v17(55.24,52.32) v17(56.16,44.98) v17(56.65,44.23) v17(57.65,46.68) v17(57.78,52.32) v17(57.69,10.14) v17(58.04,43.07) v17(58.19,46.22) v17(58.57,9.2) v17(58.57,8.32) v17(58.57,7.43) v17(58.57,6.41) v17(59.15,5.41) v17(59.54,43.1) v17(60.32,52.32) v17(62.86,52.32) v17(62.96,46.5) v17(64.82,18.71) v17(65.15,46.5) v17(65.4,52.32) v17(66.78,19.45) v17(66.92,45.61) v17(67.86,46.5) v17(70.51,5.41) v17(71.02,52.32) v17(71.45,13.99) v17(72.67,13.89) v17(73.02,52.32) v17(73.05,5.41) v17(73.31,46.68) v17(73.89,13.94) v17(74.09,45.94) v17(74.47,20.52) v17(75.56,52.32) v17(77.22,32.02) v17(77.27,30.4) v17(77.24,28.87) v17(77.24,27.27) v17(78.1,52.32) v17(78.16,31.24) v17(78.18,29.66) v17(78.18,28.01) v17(78.11,22.09) v17(79.29,46.83) v17(79.78,29.64) v17(79.76,28.04) v17(79.81,31.26) v17(80.64,52.32) v17(81.41,29.66) v17(81.41,28.04) v17(81.43,22.55) v17(82.04,31.26) v17(82.22,19.22) v17(83.03,27.98) v17(83.05,18.18) v17(83.18,52.32) v17(84.02,27.07) v17(84.81,5.41) v17(89.78,46.17) v17(89.78,43.63) v17(89.78,41.09) v17(89.78,38.55) v17(89.78,36.01) v17(89.78,33.47) v17(89.77,30.19) v17(89.78,28.39) v17(89.78,25.85) v17(89.78,23.31) v17(89.74,16.66) v17(89.78,15.67) v17(89.77,11.45) v18(32.5,32.55) v18(50.76,27.14) v18(50.72,26.31) v18(50.72,25.4) v18(51.49,10.03) v18(52.19,30.2) v18(52.19,29.92) v18(52.19,29.66) v18(52.47,29.94) v18(52.48,29.66) v18(52.5,30.2) v18(54.13,26.26) v18(56.26,10.05) v19(50.76,27.14) v19(50.72,26.31) v19(50.72,25.4) v19(51.49,10.03) v19(52.19,30.2) v19(52.19,29.92) v19(52.19,29.66) v19(52.47,29.94) v19(52.48,29.66) v19(52.5,30.2) v19(56.26,10.05)
